# Altium PCB yard-ice-2.PcbDoc (part 2 of 2)
Units mm, origin at the board's own origin, x right, y up, seen from the top; angles counter-clockwise.
Board outline 109.14 x 69.34 mm, 2 copper layers (Top Layer, Bottom Layer), stack 1.611 mm thick; 191 components, 223 nets, 915 pads, 95 vias.
Unrouted connection lines stored in the file: 485.
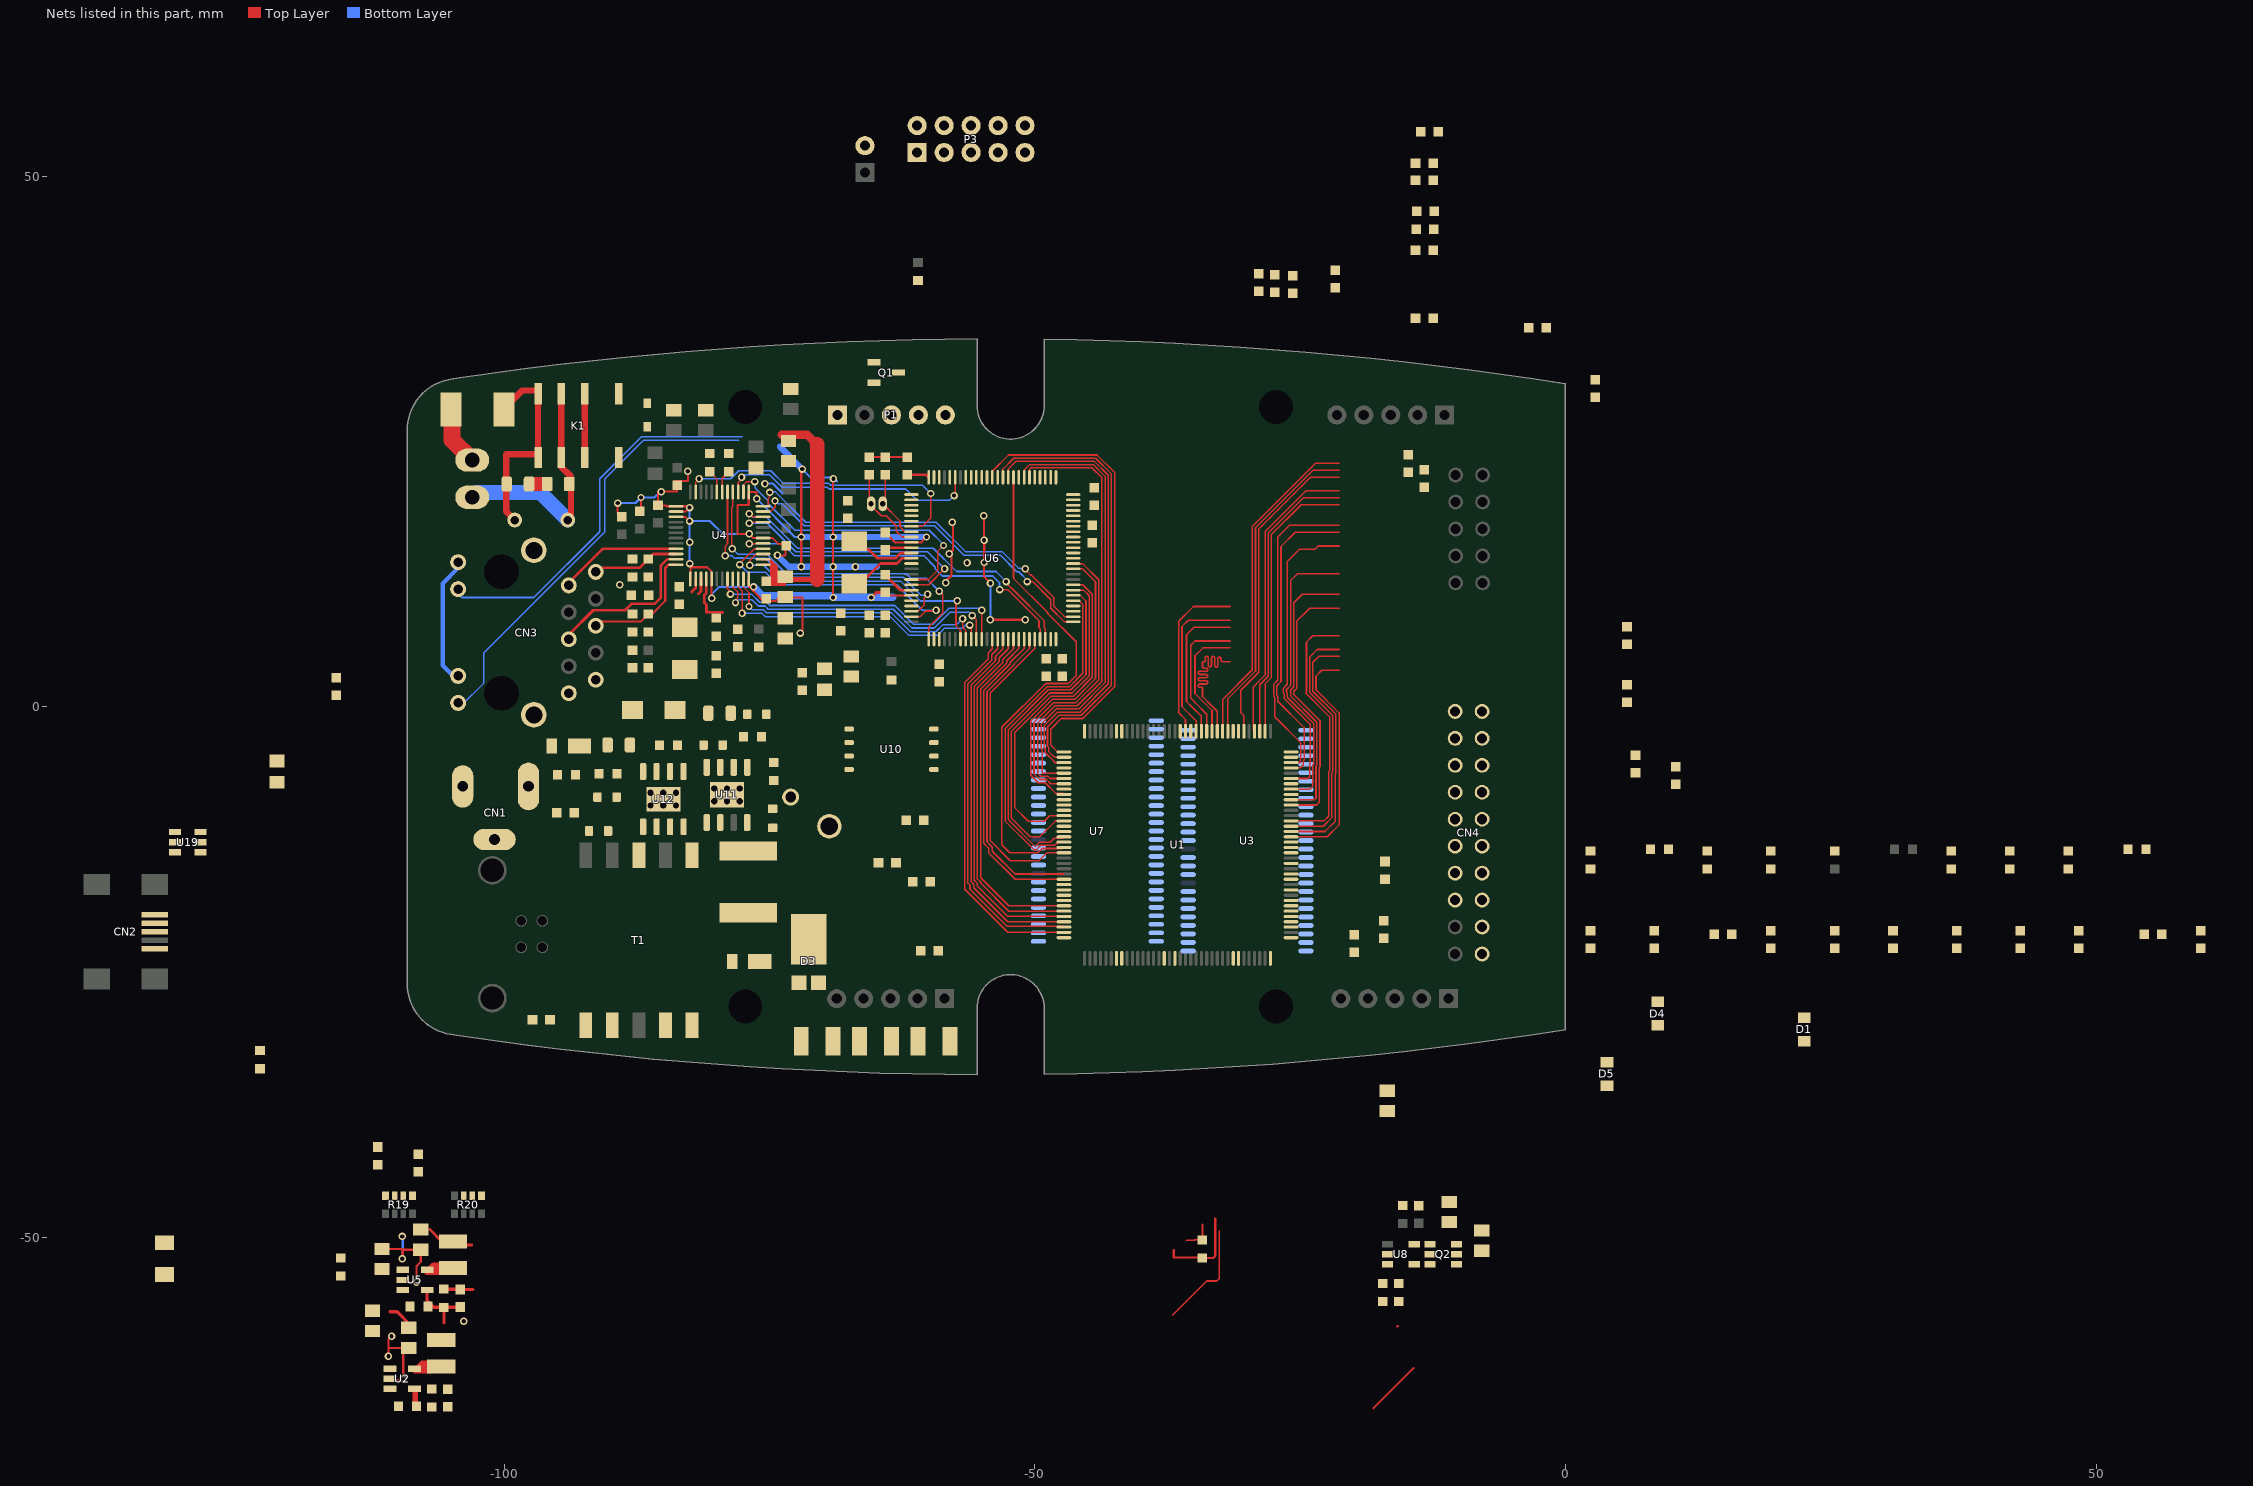
[diagram p2: the nets of this part, all layers, seen from the top]

## Via types
v1: diameter 0.7, hole 0.4, Top Layer to Bottom Layer, 83 vias
v2: diameter 0.8, hole 0.6, Top Layer to Bottom Layer, tented top, 12 vias

## Nets (pads, with @x,y where several pads share a name; then routed paths per layer and width w, separated by ;. In a path a pad name is that pad's centre, name@x,y a point inside that pad or via, vN(x,y) a via of type N, cw(c..) or ccw(c..) an arc to the next point about the centre after c; other vN are vias at no path point) (continued)
ETH_MII_COL: U4.40 U6.26 | length 31.8
  Top Layer w0.15: v1(-78.5,14.9) -78.5,15.14 -78.56,15.2 -78.56,18.79 -78.45,18.9 U4.40@-78.45,20.25 ; U6.26@-60,6.375 -60,7.516 -58.675,8.841 -58.675,10.575 v1(-59,10.9)
  Bottom Layer w0.15: v1(-78.5,14.9) -77.995,14.395 -75.254,14.395 -73.409,12.55 -62.1,12.55 -61.65,12.1 -60.2,12.1 v1(-59,10.9)
ETH_MII_CRS: U4.41 U6.23 | length 29.6
  Top Layer w0.15: v1(-79.166,14.234) -79.166,15.134 -78.95,15.35 U4.41@-78.95,20.25 ; U6.23@-61.625,9 -61.009,9 -60.4,9.609 -60.4,10.3 v1(-60.1,10.6)
  Bottom Layer w0.15: v1(-79.166,14.234) -78.534,14.234 -78.3,14 -78.084,14 -78.059,14.025 -77.541,14.025 -77.516,14 -75.354,14 -74.927,13.573 -74.927,13.227 -73.9,12.2 -62.4,12.2 -60.7,10.5 -60.2,10.5 v1(-60.1,10.6)
ETH_MII_RX_CLK: U4.28 U6.24 | length 25.7
  Top Layer w0.15: v1(-77.8,13.4) -77.8,13.5 -76.4,14.9 U4.28@-75.6,14.9 ; U6.24@-61.625,8.5 -60.8,8.5 -60.275,9.025 -59.375,9.025 v1(-59.3,9.1)
  Bottom Layer w0.15: v1(-77.8,13.4) -77.075,12.675 -75.365,12.675 -74.19,11.5 -63,11.5 -60.6,9.1 v1(-59.3,9.1)
ETH_MII_RX_DV: U4.27 U6.32 | length 26.8
  Top Layer w0.15: v1(-76.858,13.342) -76.858,13.783 -76.241,14.4 U4.27@-75.6,14.4 ; v1(-57.3,10) -57.425,9.875 -57.425,7.621 -57,7.196 U6.32@-57,6.375
  Bottom Layer w0.15: v1(-76.858,13.342) -75.537,13.342 -74.045,11.85 -62.65,11.85 -60.775,9.975 -57.325,9.975 v1(-57.3,10)
ETH_MII_RX_ER: U4.29 U6.47 | length 33.9
  Top Layer w0.15: v1(-76.907,15.37) -75.63,15.37 U4.29@-75.6,15.4 ; v1(-53.3,11.05) -52.545,11.05 -50.82,9.325 -50.818,9.325 -49.6,8.107 -49.6,7.475 -49.5,7.375 U6.47@-49.5,6.375
  Bottom Layer w0.15: v1(-76.907,15.37) -73.775,15.37 -72.655,14.25 -60.466,14.25 -59.375,13.159 -59.375,12.991 -58.709,12.325 -53.966,12.325 -53.325,11.684 -53.325,11.075 v1(-53.3,11.05)
ETH_MII_RXD0: U4.23 U6.33 | length 26.5
  Top Layer w0.15: U4.23@-77.45,12.05 -77.45,11.29 -76.925,10.765 v1(-76.925,9.45) ; v1(-56.8,8.3) -56.8,7.491 -56.5,7.191 U6.33@-56.5,6.375
  Bottom Layer w0.15: v1(-76.925,9.45) -76.625,9.15 -75.555,9.15 -75.255,8.85 -63.49,8.85 -61.715,7.075 -59.32,7.075 -58.645,7.75 -57.35,7.75 v1(-56.8,8.3)
ETH_MII_RXD1: U4.22 U6.34 | length 27.8
  Top Layer w0.15: U4.22@-77.95,12.05 -77.95,11.295 -77.573,10.918 -77.573,8.827 v1(-77.575,8.825) ; v1(-56.125,7.7) -56,7.575 U6.34@-56,6.375
  Bottom Layer w0.15: v1(-77.575,8.825) -77.55,8.8 -75.7,8.8 -75.4,8.5 -63.635,8.5 -61.86,6.725 -59.175,6.725 -58.5,7.4 -56.816,7.4 -56.416,7.8 -56,7.8 -56.1,7.7 v1(-56.125,7.7)
ETH_MII_RXD2: U4.21 U6.35 | length 29.1
  Top Layer w0.15: U4.21@-78.45,12.05 -78.45,11.3 -78,10.85 -78,10.275 -78.198,10.077 -78.198,9.827 v1(-78.2,9.825) ; v1(-55.9,8.6) -55.5,8.2 U6.35@-55.5,6.375
  Bottom Layer w0.15: v1(-78.2,9.825) -77.95,10.075 -76.628,10.075 -76.053,9.5 -75.41,9.5 -75.11,9.2 -63.345,9.2 -61.57,7.425 -59.465,7.425 -57.965,8.925 -56.225,8.925 v1(-55.9,8.6)
ETH_MII_RXD3: U4.20 U6.36 | length 29.8
  Top Layer w0.15: U4.20@-78.95,12.05 -78.95,11.125 -78.678,10.853 v1(-78.678,10.626) ; U6.36@-55,6.375 v1(-55,9.1)
  Bottom Layer w0.15: v1(-78.678,10.626) -76.683,10.626 -75.908,9.85 -75.265,9.85 -74.965,9.55 -63.2,9.55 -61.425,7.775 -59.61,7.775 -58.11,9.275 -55.175,9.275 v1(-55,9.1)
ETH_MII_TX_CLK: U4.33 U6.18 | length 25.3
  Top Layer w0.15: v1(-76.9,17.3) -76.8,17.4 U4.33@-75.6,17.4 ; U6.18@-61.625,11.5 -60,11.5 v1(-58.5,13)
  Bottom Layer w0.15: v1(-76.9,17.3) -75.21,17.3 -72.51,14.6 -60.1,14.6 v1(-58.5,13)
ETH_MII_TX_EN: U4.34 U6.48 | length 35.2
  Top Layer w0.15: v1(-76.9,18.2) -76.6,17.9 U4.34@-75.6,17.9 ; v1(-52.7,11.8) -52.7,11.7 -51.7,10.7 -51.698,10.7 -49.125,8.127 -49.125,7.5 -49,7.375 U6.48@-49,6.375
  Bottom Layer w0.15: v1(-76.9,18.2) -76.588,17.888 -75.303,17.888 -72.365,14.95 -59.566,14.95 -57.366,12.75 -53.651,12.75 -52.701,11.8 v1(-52.7,11.8)
ETH_MII_TXD0: U4.35 U6.51 | length 35.4
  Top Layer w0.15: U4.35@-75.6,18.4 -74.9,18.4 -74.453,18.847 v1@-74.453,19.401 ; v1(-50.7,11.8) -50.2,11.8 -48.5,10.1 -48.5,9.292 -47.208,8 U6.51@-46.375,8
  Bottom Layer w0.15: v1@-74.453,19.401 -74.403,19.401 -74.403,19.328 -74.201,19.126 -73.806,19.126 -71.73,17.05 -59.445,17.05 -56.67,14.275 -53.236,14.275 -51.686,12.725 -51.516,12.725 -50.646,11.854 -50.591,11.8 v1(-50.7,11.8)
  other v1: -74.475,19.4
ETH_MII_TXD1: U4.36 U6.52 | length 35.7
  Top Layer w0.15: U4.36@-75.6,18.9 -75.125,18.9 -75.125,19.675 -74.978,19.822 v1(-74.978,20.201) ; v1(-50.9,13) -50.9,12.916 -50.409,12.425 -50.33,12.425 -48.2,10.295 -48.2,9.492 -47.208,8.5 U6.52@-46.375,8.5
  Bottom Layer w0.15: v1@-74.877,20.25 -74.425,20.25 -71.575,17.4 -59.3,17.4 -56.525,14.625 -53.091,14.625 -51.541,13.075 -51.371,13.075 -51.296,13 v1(-50.9,13)
ETH_MII_TXD2: U4.38 U6.17 | length 28.1
  Top Layer w0.15: U4.38@-77.45,20.25 -77.45,20.9 -77.125,21.225 v1(-76.378,21.226) ; U6.17@-61.625,12 -60.016,12 -59.125,12.891 -59.125,14.675 v1(-58.6,15.2)
  Bottom Layer w0.15: v1(-76.378,21.226) -76.319,21.226 -76.319,20.603 -75.1,19.384 -75.1,19.141 -72.584,16.625 -59.941,16.625 -58.6,15.284 v1(-58.6,15.2)
ETH_MII_TXD3: U4.39 U6.95 | length 24.6
  Top Layer w0.15: U4.39@-77.95,20.25 -77.95,21.1 -77.628,21.422 v1(-77.628,21.626) ; v1(-57.6,19.9) -57.5,20 U6.95@-57.5,21.625
  Bottom Layer w0.15: v1(-77.628,21.626) -77.403,21.851 -74.965,21.851 -73.814,20.7 -69.554,20.7 -69.379,20.525 -62.15,20.525 -61.075,19.45 -58.05,19.45 v1(-57.6,19.9)
FB1: C26.2 R9.2 R11.1 U2.5 | length 1.5
  Top Layer w0.5: R9.2@-108.375,-65.875 -108.375,-64.4
FB2: C43.2 R17.2 R18.1 U5.5 | length 5.6
  Top Layer w0.2: C43.2@-104.175,-56.575 C43.2@-104.15,-56.55
  Top Layer w0.3: -107.25,-55.15 -107.25,-55.95 -106.925,-56.275 -106.625,-56.575 R18.1@-105.675,-56.575 ; -105.675,-58.025 R18.1@-105.675,-56.575 ; C43.2@-104.175,-56.575 R18.1@-105.675,-56.575
FPGA_CLK: R28.1
FSMC_A16: U1.59 U6.58 | length 56.4
  Top Layer w0.15: -47.25,-10.25 -48.586,-10.25 -49.111,-10.775 -50.62,-10.775 -51.9,-9.495 -51.9,-2.43 -48.47,1 -46.36,1 -44.575,2.785 -44.575,10.599 -45.476,11.5 U6.58@-46.375,11.5 ; U1.59@-25.85,-10.75 -22.75,-10.75 -22.3,-10.3 -22.3,-6.099 -22.225,-6.024 -22.225,-0.948 -24.48,1.307 -24.4,1.388 -24.4,6.1 -23.8,6.7 -21.3,6.7
FSMC_CLK: U1.55 U6.84 | length 47.6
  Top Layer w0.15: U6.84@-52,21.625 -52,12.1 -48.8,8.9 -48.8,8.824 -46.1,6.124 -46.1,2.957 -46.857,2.2 -48.967,2.2 -53.1,-1.933 -53.1,-13 -52.35,-13.75 -49.707,-13.75 -49.307,-13.35 -47.35,-13.35 -47.25,-13.25
FSMC_D0: U1.62 U6.61 | length 54
  Top Layer w0.15: -47.25,-8.25 -47.375,-8.125 -48.048,-8.125 -49.023,-7.15 -49.673,-7.15 -50.376,-6.447 -50.376,-1.33 -48.346,0.7 -46.236,0.7 -44.275,2.66 -44.275,11.78 -45.495,13 U6.61@-46.375,13 ; U1.62@-25.85,-9.25 -23.45,-9.25 -23.2,-9 -23.2,-5.726 -23.125,-5.651 -23.125,-1.321 -25.6,1.154 -25.6,1.46 -25.3,1.76 -25.3,8.1 -24.1,9.3 -21.3,9.3
FSMC_D1: U1.63 U6.62 | length 55
  Top Layer w0.15: -47.25,-7.25 -48.498,-7.25 -48.899,-6.85 -49.549,-6.85 -50.076,-6.323 -50.076,-1.454 -48.221,0.4 -46.111,0.4 -43.975,2.536 -43.975,11.975 -45.5,13.5 U6.62@-46.375,13.5 ; U1.63@-25.85,-8.75 -23.65,-8.75 -23.5,-8.6 -23.5,-5.602 -23.425,-5.527 -23.425,-1.445 -25.9,1.03 -25.9,1.503 -25.941,1.544 -25.6,1.885 -25.6,9.8 -24.8,10.6 -21.3,10.6
FSMC_D2: U1.65 U6.81 | length 70
  Top Layer w0.15: U6.81@-50.5,21.625 U6.81@-50.5,22.2 ; U6.81@-50.454,22.2 U6.81@-50.5,22.2 ; -47.25,-6.75 -48.574,-6.75 -48.774,-6.55 -49.424,-6.55 -49.7,-6.274 -49.7,-1.503 -48.097,0.1 -45.987,0.1 -43.675,2.412 -43.675,21.575 -44.625,22.525 -50.375,22.525 -50.5,22.4 U6.81@-50.5,22.2 ; U1.65@-25.85,-7.75 -24.05,-7.75 -23.8,-7.5 -23.8,-5.477 -23.725,-5.402 -23.725,-1.569 -26.2,0.906 -26.2,1.379 -26.3,1.479 -26.3,1.609 -25.9,2.009 -25.9,11.9 -25.25,12.55 -21.3,12.55
FSMC_D3: U1.67 U6.82 | length 71.6
  Top Layer w0.15: U6.82@-51,21.625 -51,22.324 -50.499,22.825 -44.501,22.825 -43.375,21.699 -43.375,2.288 -45.863,-0.2 -47.973,-0.2 -49.4,-1.627 -49.4,-3.973 -49.3,-4.073 -49.3,-6.25 -47.25,-6.25 ; U1.67@-25.85,-6.75 -24.25,-6.75 -24.1,-6.6 -24.1,-5.353 -24.025,-5.278 -24.025,-1.693 -26.5,0.782 -26.5,1.254 -26.6,1.354 -26.6,1.733 -26.2,2.133 -26.2,13.7 -25.05,14.85 -23.6,14.85 -23.3,15.15 -21.3,15.15
FSMC_D4: U1.39 U6.38 | length 35.7
  Top Layer w0.15: U6.38@-54,6.375 -54,5.46 -54.4,5.06 -54.4,4.494 -56.6,2.294 -56.6,-17.185 -52.535,-21.25 -47.25,-21.25
FSMC_D5: U1.40 U6.39 | length 35.2
  Top Layer w0.15: U6.39@-53.5,6.375 -53.5,5.465 -54.05,4.915 -54.05,4.42 -56.3,2.17 -56.3,-16.597 -56.1,-16.797 -56.1,-17.19 -52.615,-20.675 -47.325,-20.675 -47.25,-20.75 ; -47.275,-20.675 -47.2,-20.75
FSMC_D6: U1.41 U6.40 | length 34.6
  Top Layer w0.15: U6.40@-53,6.375 -53,5.47 -53.7,4.77 -53.7,4.346 -56,2.046 -56,-16.473 -55.75,-16.723 -55.75,-17.045 -52.545,-20.25 -47.25,-20.25
FSMC_D7: U1.42 U6.41 | length 34.1
  Top Layer w0.15: U6.41@-52.5,6.375 -52.5,5.475 -53.35,4.625 -53.35,4.271 -55.7,1.921 -55.7,-16.349 -55.4,-16.649 -55.4,-16.9 -52.55,-19.75 -47.25,-19.75
FSMC_D8: U1.43 U6.42 | length 33.5
  Top Layer w0.15: U6.42@-52,6.375 -52,5.48 -53,4.48 -53,4.197 -55.4,1.797 -55.4,-16.224 -55.05,-16.574 -55.05,-16.645 -52.445,-19.25 -47.25,-19.25
FSMC_D9: U1.44 U6.43 | length 32.9
  Top Layer w0.15: U6.43@-51.5,6.375 -51.5,5.485 -52.65,4.335 -52.65,4.123 -55.1,1.673 -55.1,-16.1 -52.45,-18.75 -47.25,-18.75
FSMC_D10: U1.48 U6.44 | length 30
  Top Layer w0.15: U6.44@-51,6.375 -51,5.49 -52.3,4.19 -52.3,4.049 -54.8,1.549 -54.8,-12.849 -54.35,-13.299 -54.35,-13.745 -51.845,-16.25 -47.25,-16.25
FSMC_D11: U1.49 U6.45 | length 29.5
  Top Layer w0.15: U6.45@-50.5,6.375 -50.5,5.495 -51.95,4.045 -51.95,3.974 -54.5,1.424 -54.5,-12.724 -54,-13.224 -54,-13.6 -51.85,-15.75 -47.25,-15.75
FSMC_D12: U1.54 U6.46 | length 28.8
  Top Layer w0.15: U6.46@-50,6.375 -50,5.5 -54.2,1.3 -54.2,-12.6 -52.3,-14.5 -49.6,-14.5 -48.85,-13.75 -47.25,-13.75
FSMC_D13: U1.56 U6.55 | length 55.1
  Top Layer w0.15: -47.25,-12.75 -47.875,-12.75 -47.875,-12.874 -47.955,-12.875 -48.13,-13.05 -49.431,-13.05 -49.831,-13.45 -50.099,-13.45 -52.8,-10.749 -52.8,-2.057 -48.843,1.9 -46.733,1.9 -45.475,3.158 -45.475,9.645 -45.83,10 U6.55@-46.375,10 ; U1.56@-25.85,-12.25 -22.45,-12.25 -21.325,-11.125 -21.325,-0.575 -23.5,1.6 -23.5,2.9 -22.95,3.45 -21.3,3.45
FSMC_D14: U1.57 U6.56 | length 56.2
  Top Layer w0.15: -47.25,-12.25 -47.375,-12.375 -48.175,-12.375 -48.55,-12.75 -49.555,-12.75 -49.955,-13.15 -49.974,-13.15 -52.5,-10.624 -52.5,-2.182 -48.718,1.6 -46.608,1.6 -45.175,3.033 -45.175,9.975 -45.7,10.5 U6.56@-46.375,10.5 ; U1.57@-25.85,-11.75 -22.65,-11.75 -21.7,-10.8 -21.7,-6.347 -21.625,-6.272 -21.625,-0.699 -23.8,1.476 -23.8,4.2 -23.25,4.75 -21.3,4.75
FSMC_D15: U1.58 U6.57 | length 56.6
  Top Layer w0.15: -47.25,-10.75 -48.05,-10.75 -49.55,-12.25 -50.45,-12.25 -52.2,-10.5 -52.2,-2.306 -48.594,1.3 -46.484,1.3 -44.875,2.909 -44.875,10.475 -45.4,11 U6.57@-46.375,11 ; U1.58@-25.85,-11.25 -22.826,-11.25 -22,-10.424 -22,-6.223 -21.925,-6.148 -21.925,-0.824 -24.1,1.351 -24.1,4.7 -23.4,5.4 -21.3,5.4
FSMC_NCE: U1.71 U6.88 | length 44.3
  Top Layer w0.15: U6.88@-54,21.625 -54,22.2 -52.475,23.725 -44.128,23.725 -42.475,22.072 -42.475,1.915 -45.49,-1.1 -47.5,-1.1 -48.5,-2.1 -48.5,-3.6 -47.85,-4.25 -47.25,-4.25
FSMC_NOE: U1.69 U6.85 | length 72.3
  Top Layer w0.15: U6.85@-52.5,21.625 -52.5,22.41 -51.785,23.125 -44.376,23.125 -43.075,21.824 -43.075,2.163 -45.738,-0.5 -47.849,-0.5 -49.1,-1.751 -49.1,-3.849 -49,-3.949 -49,-4.324 -48.15,-5.174 -48.15,-5.25 -47.25,-5.25 ; U1.69@-25.85,-5.75 -24.982,-5.75 -24.7,-5.468 -24.7,-5.105 -24.625,-5.03 -24.625,-1.942 -27.1,0.533 -27.1,1.006 -27.2,1.106 -27.2,1.982 -26.8,2.382 -26.8,15.1 -25.45,16.45 -21.3,16.45
FSMC_NWE: U1.70 U6.86 | length 73.3
  Top Layer w0.15: U6.86@-53,21.625 -53,22.405 -51.98,23.425 -44.252,23.425 -42.775,21.948 -42.775,2.039 -45.614,-0.8 -47.724,-0.8 -48.8,-1.876 -48.8,-3.724 -48.7,-3.824 -48.7,-4.2 -48.15,-4.75 -47.25,-4.75 ; U1.70@-25.85,-5.25 -25,-5.25 -25,-4.98 -24.925,-4.905 -24.925,-3.399 -27.4,-0.924 -27.4,0.882 -27.5,0.982 -27.5,2.106 -27.1,2.506 -27.1,16.006 -26.006,17.1 -21.3,17.1
GND: BT1.2 C1.2 C3.2 C5.2 C6.2 C7.2 C8.2 C9.2 C10.2 C11.2 C12.2 C13.2 C14.2 C15.1 C16.1 C17.2 C18.2 C19.2 C20.2 C21.2 C22.2 C23.2 C24.2 C25.2 C27.2 C28.2 C29.2 C30.2 C31.2 C32.2 C33.2 C34.2 C35.2 C36.2 C37.1 C38.2 C39.1 C40.2 C41.1 C42.1 C44.2 C45.2 C46.2 C47.2 C48.2 C49.2 C50.2 C51.2 C52.2 C53.2 C54.2 C55.2 C56.2 C57.2 C58.2 C59.2 C60.2 C61.2 C62.2 C63.2 C64.2 C65.2 C69.2 C71.2 C74.2 C77.2 C79.2 C82.2 C83.2 C84.2 C87.2 C88.2 C89.2 C90.2 C91.2 C92.2 C93.2 C94.2 C95.2 C96.2 C97.2 C98.2 C99.2 C100.2 C101.2 C102.2 C103.2 C104.2 CN2.5 CN4.4 CN4.6 CN4.8 CN4.10 CN4.12 CN4.14 CN4.16 CN4.18 CN4.20 D1.2 D4.2 D5.2 P1.3 P3.6 P3.8 P3.10 Q1.2 R9.1 R10.2 R13.1 R17.1 R22.1 R24.1 R27.2 R30.1 R31.2 R32.2 R39.1 T1.9 T1.10 U1.8 U1.18 U1.29 U1.46 U1.53 U1.64 U1.80 U1.90 U1.101 U1.116 U1.124 U1.134 U2.2 U3.6 U3.12 U3.19 U3.28 U3.41 U3.46 U3.52 U3.54 U4.1 U4.2 U4.3 U4.13 U4.17 U4.24 U4.30 U4.37 U5.2 U6.10 U6.20 U6.27 U6.74 U6.99 U7.6 U7.12 U7.19 U7.28 U7.41 U7.46 U7.52 U7.54 U8.2 U10.4 U19.2 | length 199.6
  Top Layer w0.2: C29.2@-111.5,-51.075 -109.55,-51.075 ; v1(-110.9,-61.2) -110.9,-60.4 ; U2.2@-110.775,-63.45 -109.5,-63.45 v1(-109.5,-63.325) -109.5,-60.9 C21.2@-109,-60.4 -110.9,-60.4 ; v1(-110.6,-59.3) -110.9,-59.6 -110.9,-60.4 ; U5.2@-109.65,-54.2 v1(-108.25,-54.2) -108.25,-52.7 -107.85,-52.3 C35.2@-107.85,-51.15 -109.475,-51.15 -109.55,-51.075 ; v1@-109.55,-51.975 -109.55,-51.075 ; v1@-89.3,19.4 v1(-89.3,19.2) -89.3,18.325 C17.2@-88.9,17.925 ; C20.2@-87.1,18.425 v1(-87.1,19.725) ; v1@-85.5,20.275 C23.2@-85.5,18.975 -84.775,18.975 -84.7,18.9 U4.1@-83.8,18.9 -82.65,18.9 v1(-82.525,18.775) -82.9,18.4 U4.2@-83.8,18.4 ; v1@-85.3,20.275 v1(-85.2,20.275) -83.725,20.275 C24.2@-83.725,21.275 ; C24.2@-83.925,21.275 C24.2@-83.725,21.275 ; U4.3@-83.8,17.9 -82.925,17.9 v1(-82.525,17.5) ; v1(-82.7,22.2) -82.678,22.178 -82.678,21.275 C24.2@-83.725,21.275 ; v1(-82.5,13.5) -82.45,13.45 -82.45,13.15 ; U4.13@-82.45,12.05 -82.45,13.15 ; v1(-80.425,10.225) -80.45,10.25 U4.17@-80.45,12.05 -80.45,12.726 -80.874,13.15 -82.45,13.15 ; U4.24@-76.95,12.05 -76.95,11.35 -76.525,10.925 ; v1(-76.5,11.3) -76.5,10.95 -76.525,10.925 ; -76.203,20.25 -76.203,19.603 v1(-76.2,19.6) ; -76.203,20.251 -76.949,20.251 U4.37@-76.95,20.25 -76.95,19 -78,19 -78,16.3 -76.918,16.3 -76.518,15.9 U4.30@-75.6,15.9 -74.7,15.9 -74.125,15.325 -73.475,15.325 -73.475,14.275 v1(-74.25,14.275) ; v1(-72.1,6.95) -71.9,7.15 -71.9,10.3 -74.075,10.3 -74.4,9.975 -75.575,9.975 -76.525,10.925 ; v1(-72,13.2) v1(-72,16) -72,22.3 v1(-71.9,22.4) ; v1(-69,10.3) v1(-69,13.2) v1(-69,16) -69,21.025 ; C41.1@-65.6,23.525 C42.1@-64.1,23.525 C53.2@-62,23.525 ; C38.2@-64.1,10.775 -63.825,10.5 U6.20@-61.625,10.5 ; C40.2@-64.1,16.425 -63.175,15.5 U6.10@-61.625,15.5 -60.7,15.5 v1(-60.2,16) ; v1@-58.377,11.85 -57.85,12.377 -57.85,14.225 v1(-58.05,14.425) -57.7,14.775 -57.7,17.325 v1(-57.775,17.4) ; v1(-54.8,18) -54.8,15.725 v1(-54.775,15.7) ; v1(-54.775,13.6) -54.775,12.25 v1(-54.175,11.65) ; v1(-54.2,8.2) v1(-50.9,8.2) ; -36.9,-51.2 -36.9,-51.9 -34.225,-51.9 R32.2@-34.2,-51.925 -33.176,-51.925 -33,-51.749 -33,-48.225 ; -18.1,-66.1 -14.325,-62.325 ; -15.85,-58.375 -15.8,-58.325
  Top Layer w0.25: v1(-65.4,10.3) -64.925,10.775 C38.2@-64.1,10.775 ; v1(-54.775,13.6) v1(-54.775,15.7)
  Bottom Layer w0.2: v1@-109.55,-51.975 v1@-109.55,-49.75 ; v1(-89.3,19.2) -87.625,19.2 v1(-87.1,19.725) ; v1@-86.9,19.725 -85.85,19.725 v1@-85.3,20.275 ; v1(-82.525,18.775) v1(-82.525,17.5) ; v1@-82.35,13.35 v1(-82.5,13.5) -82.525,13.525 v1(-82.525,17.5) ; v1(-80.425,10.225) -80.425,10.6 -79.725,11.3 v1(-76.5,11.3) ; v1(-76.9,16.3) -79.4,16.3 -80.6,17.5 v1(-82.525,17.5) ; v1(-76.2,19.6) -72.6,16 v1(-72,16) ; v1(-75.426,21.026) -74.671,21.026 -73.795,20.15 ; v1(-71.9,22.4) -71.1,21.6 -69,21.6 -68.65,21.25 ; v1@-54.225,11.7 v1(-54.175,11.65) -54.175,8.225 v1(-54.2,8.2)
  Bottom Layer w0.6: v1(-74.25,14.275) -73.175,13.2 v1(-72,13.2) v1(-69,13.2) v1(-66.9,13.2) -64.9,13.2 ; -74,24.5 v1(-71.9,22.4) ; v1(-72,16) v1(-69,16) v1(-60.2,16)
  Bottom Layer w0.7: v1(-76.5,11.3) -76.474,11.3 -75.649,10.475 -69.175,10.475 v1(-69,10.3) -68.975,10.325 -63.4,10.325
  other v1: -103.8,-57.9 -109.6,-52 -109.6,-49.9 -89.1,11.5 -58.377,11.7 -56.375,13.575 -82.5,15.5 -68.975,21.5
GND_EARTH: C1.1 CN3.15
I2C1_SCL: U6.92
I2C1_SDA: U6.93
IRQ: U6.87
JTCK: P3.7 U6.72